# KiCad board nvme Carrier all M2.kicad_pcb (continued)
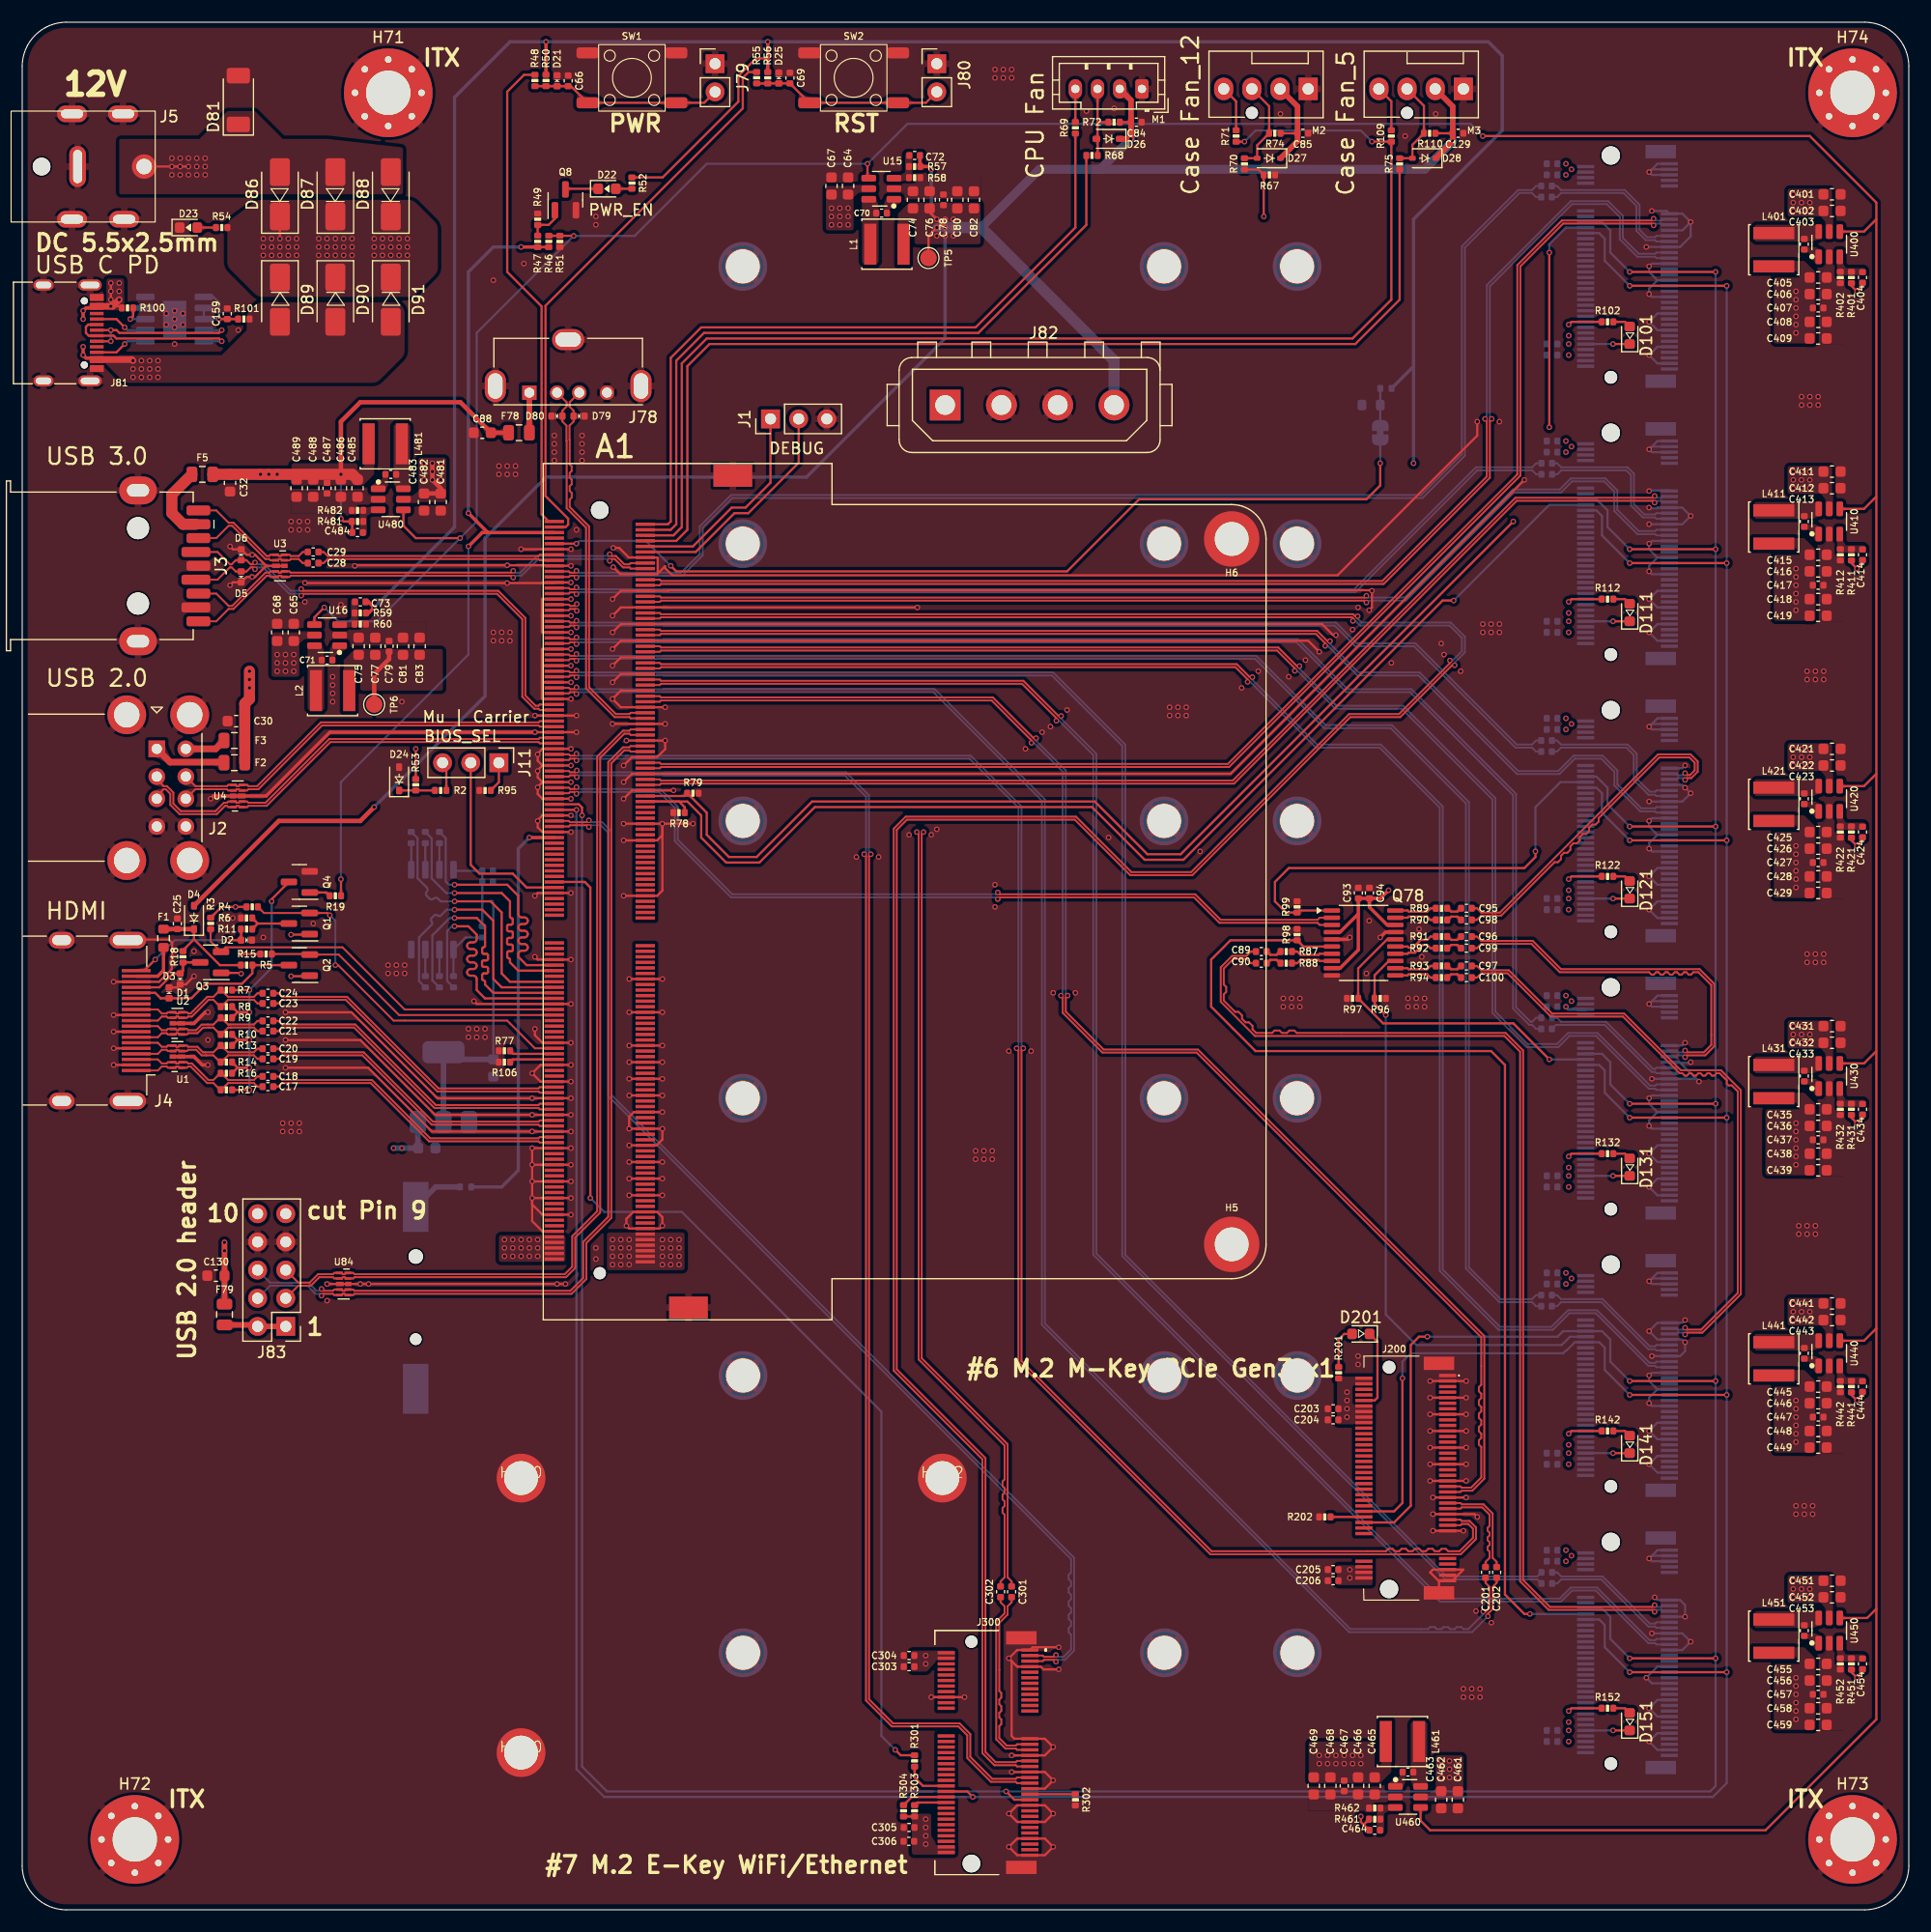
[diagram p0: board, top side]
## Routing (per net, layer and track width the routed paths; a pad name or vN(x,y) marks a point on that pad's centre or on a via; arc(x,y) is an arc through that point) (continued)
/LattePanda Module/HSIO_3_RX-: length 229.4
  Top w0.171: v1(120.04,116.21) 120.04,116.45 119.94,116.54 57.63,116.54 57.51,116.43 A1.36 ; v1(128.79,112.64) 128.79,112.4 124.19,107.81 119.69,107.81 105.44,93.56 100.06,93.56 95.06,98.56 79.69,98.56 78.61,97.48 78.61,48.62 86.61,40.62 86.61,14.12 87.69,13.04 89.62,13.04 89.74,12.93 J300.43
  Bottom w0.171: v1(120.04,116.21) 120.27,116.21 120.69,115.79 128.75,115.79 129.86,114.68 129.86,113.48 129.02,112.64 v1(128.79,112.64)
/LattePanda Module/HSIO_3_TX+: length 123.3
  Top w0.171: A1.31 49.31,117.68 49.43,117.56 49.86,117.56 v1(50.03,117.73) ; v1(81.3,97.18) 81.14,97.01 81.14,49.73 88.89,41.98 88.89,29.98 89.25,29.62 C301.1
  In1.GND w0.171: v1(81.3,97.18) 81.14,97.34 81.14,114.23 77.81,117.56 50.19,117.56 v1(50.03,117.73)
/LattePanda Module/HSIO_3_TX-: length 123.3
  Top w0.171: C302.1 88.25,29.62 88.61,29.98 88.61,35.63 88.43,35.81 88.43,36.23 88.61,36.41 88.61,36.83 88.43,37.01 88.43,37.43 88.61,37.61 88.61,38.03 88.43,38.21 88.43,38.63 88.61,38.81 88.61,41.87 80.86,49.62 80.86,97.01 v1(80.7,97.18) ; v1(50.03,117.12) 49.86,117.29 49.43,117.29 49.31,117.18 A1.33
  In1.GND w0.171: v1(80.7,97.18) 80.86,97.34 80.86,114.12 77.69,117.29 50.19,117.29 v1(50.03,117.12)
/LattePanda Module/HSIO_6_RX+: length 129.3
  Top w0.171: v1(91.46,105.64) 91.23,105.64 87.56,109.31 57.63,109.31 57.51,109.43 A1.64 ; v1(94.3,82.43) 94.14,82.26 94.14,80.98 97.56,77.56 106.06,77.56 131.89,51.73 131.89,38.87 130.81,37.79 129.85,37.79 129.74,37.68 J200.43
  Bottom w0.171: v1(94.3,82.43) 94.14,82.59 94.14,102.73 91.46,105.4 v1(91.46,105.64)
/LattePanda Module/HSIO_6_RX-: length 129.3
  Top w0.171: J200.41 129.74,38.18 129.85,38.06 130.69,38.06 131.61,38.98 131.61,41.73 131.4,41.95 131.4,42.33 131.61,42.55 131.61,42.93 131.4,43.15 131.4,43.53 131.61,43.75 131.61,44.13 131.4,44.35 131.4,44.73 131.61,44.95 131.61,45.33 131.4,45.55 131.4,45.93 131.61,46.15 131.61,46.53 131.4,46.75 131.4,47.13 131.61,47.35 131.61,51.62 105.94,77.29 97.44,77.29 93.86,80.87 93.86,82.26 v1(93.7,82.43) ; A1.66 57.51,108.93 57.63,109.04 87.44,109.04 91.04,105.45 v1(91.04,105.21)
  Bottom w0.171: v1(93.7,82.43) 93.86,82.59 93.86,102.62 91.27,105.21 v1(91.04,105.21)
/LattePanda Module/HSIO_6_TX+: length 151.6
  Top w0.171: v1(131.79,26.89) 132.02,26.89 132.36,27.23 132.36,29.12 132,29.48 C201.1 ; v1(50,110.23) 49.84,110.06 49.43,110.06 49.31,110.18 A1.61
  Bottom w0.171: v1(131.79,26.89) 131.79,26.65 130.44,25.31 130,25.31 129.82,25.49 129.4,25.49 129.22,25.31 128.8,25.31 128.62,25.49 128.2,25.49 128.02,25.31 127.6,25.31 127.42,25.49 127,25.49 126.82,25.31 119.81,25.31 92.25,52.87 92.25,100.12 82.31,110.06 50.16,110.06 v1(50,110.23)
/LattePanda Module/HSIO_6_TX-: length 151.6
  Top w0.171: A1.63 49.31,109.68 49.43,109.79 49.84,109.79 v1(50,109.62) ; C202.1 133,29.48 132.64,29.12 132.64,27.12 132.21,26.7 v1(132.21,26.46)
  Bottom w0.171: v1(50,109.62) 50.16,109.79 82.19,109.79 91.98,100 91.98,52.75 119.69,25.04 130.79,25.04 v1(132.21,26.46)
/LattePanda Module/HSIO_8_RX+: length 101.1
  Top w0.171: A1.40 57.51,115.43 57.63,115.31 116.81,115.31 117.73,114.39 v1(117.96,114.39)
  Bottom w0.171: J120.43 147.41,99.43 147.3,99.31 146.06,99.31 143.89,101.48 143.89,102.73 142.56,104.06 139.94,104.06 138.56,102.68 134.94,102.68 126.06,111.56 120.56,111.56 117.96,114.15 v1(117.96,114.39)
/LattePanda Module/HSIO_8_RX-: length 101.1
  Top w0.171: A1.42 57.51,114.93 57.63,115.04 116.69,115.04 117.54,114.2 v1(117.54,113.96)
  Bottom w0.171: v1(117.54,113.96) 117.77,113.96 120.44,111.29 125.94,111.29 134.83,102.4 138.67,102.4 140.06,103.79 142.44,103.79 143.61,102.62 143.61,101.37 145.94,99.04 147.3,99.04 147.41,98.93 J120.41
/LattePanda Module/HSIO_8_TX+: length 93.9
  Top w0.171: v1(50,116.23) 49.84,116.06 49.43,116.06 49.31,116.18 A1.37
  Bottom w0.171: v1(50,116.23) 50.16,116.06 118.5,116.06 120.36,114.2 125.67,114.2 134.81,105.06 136.19,105.06 136.55,105.43 C125.1
/LattePanda Module/HSIO_8_TX-: length 93.9
  Top w0.171: v1(50,115.62) 49.84,115.79 49.43,115.79 49.31,115.68 A1.39
  Bottom w0.171: C126.1 136.55,104.43 136.19,104.79 134.69,104.79 125.56,113.93 120.25,113.93 118.39,115.79 50.16,115.79 v1(50,115.62)
/LattePanda Module/HSIO_9_RX+: length 121.1
  Top w0.171: A1.46 57.51,113.93 57.63,113.81 113.31,113.81 114.98,112.14 v1(115.21,112.14)
  Bottom w0.171: v1(115.21,112.14) 115.21,111.9 118.56,108.56 124.56,108.56 132.89,100.23 132.89,80.98 135.81,78.06 138.44,78.06 139.44,79.06 142.09,79.06 146.84,74.31 147.3,74.31 147.41,74.43 J130.43
/LattePanda Module/HSIO_9_RX-: length 121.1
  Top w0.171: v1(114.79,111.71) 114.79,111.95 113.19,113.54 57.63,113.54 57.51,113.43 A1.48
  Bottom w0.171: J130.41 147.41,73.93 147.3,74.04 146.72,74.04 141.97,78.79 139.56,78.79 138.56,77.79 135.69,77.79 132.61,80.87 132.61,100.12 124.44,108.29 118.44,108.29 115.02,111.71 v1(114.79,111.71)
/LattePanda Module/HSIO_9_TX+: length 114.9
  Top w0.171: v1(50,114.73) 49.84,114.56 49.43,114.56 49.31,114.68 A1.43
  Bottom w0.171: C135.1 136.55,80.43 136.19,80.06 136.06,80.06 134.75,81.37 134.75,100.62 125.31,110.06 119.56,110.06 115.06,114.56 50.16,114.56 v1(50,114.73)
/LattePanda Module/HSIO_9_TX-: length 114.9
  Top w0.171: v1(50,114.12) 49.84,114.29 49.43,114.29 49.31,114.18 A1.45
  Bottom w0.171: v1(50,114.12) 50.16,114.29 114.94,114.29 119.44,109.79 125.19,109.79 134.48,100.5 134.48,81.25 135.94,79.79 136.19,79.79 136.55,79.43 C136.1
/LattePanda Module/HSIO_10_RX+: length 144.4
  Top w0.171: v1(110.96,111.14) 110.73,111.14 109.56,112.31 57.63,112.31 57.51,112.43 A1.52
  Bottom w0.171: v1(110.96,111.14) 110.96,110.9 116.81,105.06 122.56,105.06 128.14,99.48 128.14,57.73 133.31,52.56 137.94,52.56 139.44,54.06 142.06,54.06 146.81,49.31 147.3,49.31 147.41,49.43 J140.43
/LattePanda Module/HSIO_10_RX-: length 144.4
  Top w0.171: A1.54 57.51,111.93 57.63,112.04 109.44,112.04 110.54,110.95 v1(110.54,110.71)
  Bottom w0.171: J140.41 147.41,48.93 147.3,49.04 146.69,49.04 141.94,53.79 139.56,53.79 138.06,52.29 133.19,52.29 127.86,57.62 127.86,99.37 122.44,104.79 116.69,104.79 110.77,110.71 v1(110.54,110.71)
/LattePanda Module/HSIO_10_TX+: length 137.9
  Top w0.171: v1(50,113.23) 49.84,113.06 49.43,113.06 49.31,113.18 A1.49
  Bottom w0.171: C145.1 136.55,55.43 136.19,55.06 133.36,55.06 130.5,57.93 130.5,99.87 123.56,106.81 117.56,106.81 111.31,113.06 91.27,113.06 50.16,113.06 v1(50,113.23)
/LattePanda Module/HSIO_10_TX-: length 137.9
  Top w0.171: A1.51 49.31,112.68 49.43,112.79 49.84,112.79 v1(50,112.62)
  Bottom w0.171: v1(50,112.62) 50.16,112.79 111.19,112.79 117.44,106.54 123.44,106.54 130.23,99.75 130.23,57.81 133.25,54.79 136.19,54.79 136.55,54.43 C146.1
/LattePanda Module/HSIO_11_RX+: length 155.7
  Top w0.171: v1(93.71,107.64) 93.48,107.64 90.31,110.81 57.63,110.81 57.51,110.93 A1.58
  Bottom w0.171: J150.43 147.41,24.43 147.3,24.31 146.81,24.31 142.06,29.06 139.69,29.06 138.69,28.06 128,28.06 96.89,59.17 96.89,104.23 93.71,107.4 v1(93.71,107.64)
/LattePanda Module/HSIO_11_RX-: length 155.7
  Top w0.171: v1(93.29,107.21) 93.29,107.45 90.19,110.54 57.63,110.54 57.51,110.43 A1.60
  Bottom w0.171: J150.41 147.41,23.93 147.3,24.04 146.69,24.04 141.94,28.79 139.81,28.79 138.81,27.79 127.89,27.79 96.61,59.06 96.61,104.12 93.52,107.21 v1(93.29,107.21)
/LattePanda Module/HSIO_11_TX+: length 150.1
  Top w0.171: v1(50,111.73) 49.84,111.56 49.43,111.56 49.31,111.68 A1.55
  Bottom w0.171: C155.1 136.68,30.06 128.5,30.06 99.5,59.06 99.5,105.06 93,111.56 50.16,111.56 v1(50,111.73)
/LattePanda Module/HSIO_11_TX-: length 150.1
  Top w0.171: A1.57 49.31,111.18 49.43,111.29 49.84,111.29 v1(50,111.12)
  Bottom w0.171: C156.1 136.68,29.79 128.39,29.79 99.23,58.95 99.23,104.95 92.89,111.29 50.16,111.29 v1(50,111.12)
/LattePanda Module/REFCLK0+: length 146.9
  Top w0.171: v1(50,104.23) 49.84,104.06 49.43,104.06 49.31,104.18 A1.85 ; v1(90.3,77.68) 90.14,77.51 90.14,49.48 107.29,32.33 123.01,32.33 123.23,32.55 123.61,32.55 123.83,32.33 124.21,32.33 124.43,32.55 124.81,32.55 125.03,32.33 125.41,32.33 125.63,32.55 126.01,32.55 126.23,32.33 126.61,32.33 126.83,32.55 127.21,32.55 127.43,32.33 127.81,32.33 128.03,32.55 128.41,32.55 128.63,32.33 129.66,32.33 130.86,33.54 130.86,34.37 130.44,34.79 129.85,34.79 129.74,34.68 J200.55
  Bottom w0.171: v1(90.3,77.68) 90.14,77.84 90.14,99.48 85.56,104.06 50.16,104.06 v1(50,104.23)
/LattePanda Module/REFCLK0-: length 146.9
  Top w0.171: J200.53 129.74,35.18 129.85,35.06 130.56,35.06 131.14,34.48 131.14,33.43 129.77,32.06 107.17,32.06 89.86,49.37 89.86,77.51 v1(89.7,77.68) ; A1.87 49.31,103.68 49.43,103.79 49.84,103.79 v1(50,103.62)
  Bottom w0.171: v1(89.7,77.68) 89.86,77.84 89.86,99.37 85.44,103.79 50.16,103.79 v1(50,103.62)
/LattePanda Module/REFCLK1+: length 129.8
  Top w0.171: J300.47 89.74,11.93 89.62,11.81 87.5,11.81 85.52,13.79 85.52,15.85 84.56,16.81 78.56,16.81 76.39,18.98 76.39,95.01 v1(76.55,95.18) ; v1(50.03,102.73) 49.86,102.56 49.43,102.56 49.31,102.68 A1.91
  Bottom w0.171: v1(50.03,102.73) 50.19,102.56 74.31,102.56 76.39,100.48 76.39,95.34 v1(76.55,95.18)
/LattePanda Module/REFCLK1-: length 129.8
  Top w0.171: J300.49 89.74,11.43 89.62,11.54 87.39,11.54 85.25,13.68 85.25,15.73 84.44,16.54 78.44,16.54 76.11,18.87 76.11,95.01 v1(75.95,95.18) ; A1.93 49.31,102.18 49.43,102.29 49.86,102.29 v1(50.03,102.12)
  Bottom w0.171: v1(50.03,102.12) 50.19,102.29 74.19,102.29 76.11,100.37 76.11,95.34 v1(75.95,95.18)
/LattePanda Module/REFCLK2+: length 77.2
  Top w0.171: v1(88,91.73) 88.16,91.56 105.81,91.56 108.11,89.26 116.84,89.26 117.03,89.45 Q78.2 ; v1(50,101.23) 49.84,101.06 49.43,101.06 49.31,101.18 A1.97
  Bottom w0.171: v1(88,91.73) 87.84,91.56 64.06,91.56 59.14,96.48 59.14,99.48 57.56,101.06 50.16,101.06 v1(50,101.23)
/LattePanda Module/REFCLK2-: length 77.2
  Top w0.171: v1(88,91.12) 88.16,91.29 105.69,91.29 107.99,88.99 116.84,88.99 117.03,88.8 Q78.3 ; A1.99 49.31,100.68 49.43,100.79 49.84,100.79 v1(50,100.62)
  Bottom w0.171: v1(50,100.62) 50.16,100.79 57.44,100.79 58.86,99.37 58.86,96.37 63.94,91.29 87.84,91.29 v1(88,91.12)
/LattePanda Module/REFCLK3+: length 124
  Top w0.171: v1(147.16,152.48) 146.99,152.31 138.89,152.31 134.86,148.29 134.86,129.42 108.75,103.31 57.63,103.31 57.51,103.43 A1.88
  Bottom w0.171: J100.55 147.95,152.43 147.84,152.31 147.32,152.31 v1(147.16,152.48)
/LattePanda Module/REFCLK3-: length 124
  Top w0.171: v1(147.16,151.87) 146.99,152.04 139,152.04 135.14,148.18 135.14,129.31 108.86,103.04 57.63,103.04 57.51,102.93 A1.90
  Bottom w0.171: v1(147.16,151.87) 147.32,152.04 147.84,152.04 147.95,151.93 J100.53
/LattePanda Module/REFCLK4+: length 103.2
  Top w0.171: v1(147.25,127.48) 147.09,127.31 134.69,127.31 109.19,101.81 57.63,101.81 57.51,101.93 A1.94
  Bottom w0.171: J110.55 147.95,127.43 147.84,127.31 147.41,127.31 v1(147.25,127.48)
/LattePanda Module/REFCLK4-: length 103.2
  Top w0.171: A1.96 57.51,101.43 57.63,101.54 109.31,101.54 134.81,127.04 147.09,127.04 v1(147.25,126.87)
  Bottom w0.171: v1(147.25,126.87) 147.41,127.04 147.84,127.04 147.95,126.93 J110.53
/LattePanda Module/SUSCLK: length 98.7
  Top w0.2: R301.2 79.24,13.94 v1(78.75,14.43) ; A1.131 50.75,92.68 51.25,92.18 v1(51.25,64.18)
  Bottom w0.2: v1(51.25,64.18) 52.5,62.93 59.5,62.93 77.5,44.93 77.5,15.68 v1(78.75,14.43)
/LattePanda Module/USB_2_P4+: length 34.5
  Top w0.171: J78.3 49.39,135.93 49.39,135.57 49.37,135.56 49.37,135.53 49.75,135.16 D79.2 49.75,134.2 49.37,133.82 49.37,132.54 49.39,132.53 49.39,130.33 49.57,130.15 49.57,129.73 49.39,129.55 49.39,129.13 49.57,128.95 49.57,128.53 49.39,128.35 49.39,127.93 49.57,127.75 49.57,127.33 49.39,127.15 49.39,126.48 51.14,124.73 51.14,110.23 53.56,107.81 54.77,107.81 54.89,107.93 A1.70
/LattePanda Module/USB_2_P4-: length 34.5
  Top w0.171: A1.72 54.89,107.43 54.77,107.54 53.44,107.54 50.86,110.12 50.86,124.62 49.11,126.37 49.11,132.43 49.1,132.44 49.1,133.82 48.72,134.2 D80.2 48.72,135.16 49.1,135.53 49.1,135.66 49.11,135.68 49.11,135.93 J78.2
/LattePanda Module/USB_2_P5+: length 101.3
  Top w0.171: A1.111 49.31,97.68 49.43,97.79 50.96,97.79 v1(51.12,97.62) ; v1(93.25,22.98) 93.09,22.81 92.18,22.81 92.06,22.93 J300.3
  Bottom w0.171: v1(93.25,22.98) 93.41,22.81 93.94,22.81 94.61,23.48 94.61,24.8 94.4,25.01 94.4,25.4 94.61,25.61 94.61,26 94.4,26.21 94.4,26.6 94.61,26.81 94.61,27.2 94.4,27.41 94.4,27.8 94.61,28.01 94.61,28.4 94.4,28.61 94.4,29 94.61,29.21 94.61,29.6 94.4,29.81 94.4,30.2 94.61,30.41 94.61,31.62 52.86,73.37 52.86,97.12 52.19,97.79 51.29,97.79 v1(51.12,97.62)
/LattePanda Module/USB_2_P5-: length 101.3
  Top w0.171: v1(93.25,22.37) 93.09,22.54 92.18,22.54 92.06,22.43 J300.5 ; A1.109 49.31,98.18 49.43,98.06 50.96,98.06 v1(51.12,98.23)
  Bottom w0.171: v1(51.12,98.23) 51.29,98.06 52.31,98.06 53.14,97.23 53.14,73.48 94.89,31.73 94.89,23.37 94.06,22.54 93.41,22.54 v1(93.25,22.37)
/LattePanda Module/~{PWR_SW}: length 43.9
  Top w0.2: R48.2 45.27,165.45 43.75,163.93 43.75,147.68 46.85,144.57 46.85,125.82 47.5,125.18 A1.1
/LattePanda Module/~{RST_SW}: length 51.3
  Top w0.2: A1.3 49.02,124.68 49.25,124.9 49.25,125.43 47.2,127.47 47.2,144.63 65,162.43 65,165.18 65.52,165.7 R55.2
/M.2 E&M-Key/PCIE30_TX0_N: length 9.4
  Top w0.171: J200.47 129.74,36.68 129.85,36.56 131.81,36.56 132.64,35.73 132.64,31.74 133,31.37 C202.2
/M.2 E&M-Key/PCIE30_TX0_P: length 9.4
  Top w0.171: C201.2 132,31.37 132.36,31.74 132.36,32.29 132.18,32.47 132.18,32.72 132.36,32.9 132.36,33.15 132.18,33.33 132.18,33.58 132.36,33.76 132.36,34.01 132.18,34.19 132.18,34.44 132.36,34.62 132.36,35.62 131.69,36.29 129.85,36.29 129.74,36.18 J200.49
/M.2 E&M-Key/PCIE30_TX1_N: length 16.7
  Top w0.171: J300.37 89.74,14.43 89.62,14.54 88.69,14.54 87.86,15.37 87.86,25.98 88.61,26.73 88.61,27.37 88.25,27.73 C302.2
/M.2 E&M-Key/PCIE30_TX1_P: length 16.7
  Top w0.171: J300.35 89.74,14.93 89.62,14.81 88.81,14.81 88.14,15.48 88.14,16.56 88.32,16.74 88.32,17.16 88.14,17.34 88.14,17.76 88.32,17.94 88.32,18.36 88.14,18.54 88.14,18.96 88.32,19.14 88.32,19.56 88.14,19.74 88.14,25.87 88.89,26.62 88.89,27.37 89.25,27.73 C301.2
/M.2 E&M-Key/~{CLKREQE}: length 4.1
  Top w0.2: J300.53 94.99,10.43 R302.1
/M.2 E&M-Key/~{CLKREQM}: length 3
  Top w0.2: J200.52 R202.1
/M.2 M Key/CLKREQM2: length 41.8
  Top w0.2: v1(136.5,95.43) 136.5,94.93 135.5,93.93 114.25,93.93 113,92.68 113,90.93 114.01,89.92 R99.1 115.19,90.1 Q78.1
  Bottom w0.2: v1(136.5,95.43) 136.5,99.43 138.75,101.68 J120.52
/M.2 M Key/CLKREQM3: length 29.9
  Top w0.2: Q78.16 123.13,87.5 120.51,84.89 R97.1 122.76,79.93 134.5,79.93 v1(137.75,76.68)
  Bottom w0.2: J130.52 v1(137.75,76.68)
/M.2 M Key/CLKREQM4: length 52.9
  Top w0.2: v1(123,80.68) 121.99,81.69 R96.1 121.99,84.26 123.28,85.55 Q78.13
  Bottom w0.2: v1(123,80.68) 123,53.68 125.75,50.93 138.88,50.93 139.62,51.68 J140.52
/M.2 M Key/CLKREQM5: length 100.5
  Top w0.2: Q78.6 115.56,86.85 R98.1 108.99,87.42 107.25,85.68 107.25,81.43 111.25,77.43 132.5,77.43 133.75,76.18 133.75,28.43 135.5,26.68 v1(136,26.68)
  Bottom w0.2: v1(136,26.68) J150.52
/M.2 M Key/CON_PCIE_TX_0+: length 13.9
  Bottom w0.171: J100.49 147.41,150.93 147.3,150.81 146.56,150.81 145.89,151.48 145.89,153.73 144.56,155.06 138.81,155.06 138.45,155.43 C105.2
/M.2 M Key/CON_PCIE_TX_0-: length 13.9
  Bottom w0.171: J100.47 147.41,150.43 147.3,150.54 146.44,150.54 145.61,151.37 145.61,153.62 144.44,154.79 138.81,154.79 138.45,154.43 C106.2
/M.2 M Key/CON_PCIE_TX_1+: length 14.1
  Bottom w0.171: J110.49 147.41,125.93 147.3,125.81 146.31,125.81 145.39,126.73 145.39,129.48 144.81,130.06 138.83,130.06 138.47,130.43 C115.2
/M.2 M Key/CON_PCIE_TX_1-: length 14.1
  Bottom w0.171: J110.47 147.41,125.43 147.3,125.54 146.19,125.54 145.11,126.62 145.11,129.37 144.69,129.79 138.83,129.79 138.47,129.43 C116.2
/M.2 M Key/CON_PCIE_TX_2+: length 13.9
  Bottom w0.171: C125.2 138.45,105.43 138.81,105.06 144.81,105.06 145.64,104.23 145.64,101.98 146.81,100.81 147.3,100.81 147.41,100.93 J120.49
/M.2 M Key/CON_PCIE_TX_2-: length 13.9
  Bottom w0.171: C126.2 138.45,104.43 138.81,104.79 144.69,104.79 145.36,104.12 145.36,101.87 146.69,100.54 147.3,100.54 147.41,100.43 J120.47
/M.2 M Key/CON_PCIE_TX_3+: length 12.6
  Bottom w0.171: J130.49 147.41,75.93 147.3,75.81 147.11,75.81 142.86,80.06 138.81,80.06 138.45,80.43 C135.2
/M.2 M Key/CON_PCIE_TX_3-: length 12.6
  Bottom w0.171: J130.47 147.41,75.43 147.3,75.54 147,75.54 142.75,79.79 138.34,79.79 C136.2
/M.2 M Key/CON_PCIE_TX_4+: length 12.6
  Bottom w0.171: J140.49 147.41,50.93 147.3,50.81 146.81,50.81 142.56,55.06 138.81,55.06 138.45,55.43 C145.2
/M.2 M Key/CON_PCIE_TX_4-: length 12.6
  Bottom w0.171: C146.2 138.45,54.43 138.81,54.79 142.44,54.79 146.69,50.54 147.3,50.54 147.41,50.43 J140.47
/M.2 M Key/CON_PCIE_TX_5+: length 12.5
  Bottom w0.171: J150.49 147.41,25.93 147.3,25.81 146.81,25.81 142.56,30.06 138.83,30.06 138.47,30.43 C155.2
/M.2 M Key/CON_PCIE_TX_5-: length 12.5
  Bottom w0.171: J150.47 147.41,25.43 147.3,25.54 146.69,25.54 142.44,29.79 138.83,29.79 138.47,29.43 C156.2
/M.2 M Key/REFCLKM2+: length 30.6
  Top w0.171: v1(150,102.48) 150.16,102.31 150.44,102.31 150.86,102.73 150.86,103.43 150.39,103.9 147.67,103.9 142.47,98.7 142.2,98.43 142.2,98.12 141.93,97.85 141.62,97.85 141.35,97.58 141.35,97.27 141.08,97 140.77,97 140.5,96.73 140.5,96.42 140.23,96.15 139.92,96.15 139.65,95.88 139.65,95.58 139.38,95.31 139.07,95.31 138.8,95.03 138.8,94.73 138.53,94.46 138.22,94.46 133.41,89.64 131.61,89.64 131.22,89.25 C98.2
  Bottom w0.171: v1(150,102.48) 149.84,102.31 149.31,102.31 149.2,102.43 J120.55
/M.2 M Key/REFCLKM2-: length 30.6
  Top w0.171: v1(150,101.87) 150.16,102.04 150.56,102.04 151.14,102.62 151.14,103.54 150.5,104.18 147.56,104.18 133.29,89.91 131.61,89.91 131.22,90.3 C95.2
  Bottom w0.171: J120.53 149.2,101.93 149.31,102.04 149.84,102.04 v1(150,101.87)
/M.2 M Key/REFCLKM3+: length 33.9
  Top w0.171: v1(150,77.48) 150.16,77.31 151.69,77.31 152.36,77.98 152.36,83.37 151.19,84.54 150.75,84.54 150.53,84.32 150.33,84.32 150.11,84.54 149.91,84.54 149.69,84.32 149.49,84.32 149.27,84.54 149.07,84.54 148.85,84.32 148.65,84.32 148.43,84.54 148.23,84.54 148.01,84.32 147.81,84.32 147.59,84.54 147.39,84.54 147.17,84.32 146.97,84.32 146.75,84.54 138.69,84.54 136.14,87.09 131.61,87.09 131.22,86.7 C99.2
  Bottom w0.171: v1(150,77.48) 149.84,77.31 149.31,77.31 149.2,77.43 J130.55
/M.2 M Key/REFCLKM3-: length 33.9
  Top w0.171: C96.2 131.22,87.75 131.61,87.36 136.26,87.36 138.81,84.81 151.31,84.81 152.64,83.48 152.64,77.87 151.81,77.04 150.16,77.04 v1(150,76.87)
  Bottom w0.171: J130.53 149.2,76.93 149.31,77.04 149.84,77.04 v1(150,76.87)
/M.2 M Key/REFCLKM4+: length 55.4
  Top w0.171: v1(150,52.48) 150.16,52.31 151.44,52.31 154.75,55.62 154.75,73.79 154.21,74.33 153.9,74.33 153.77,74.47 153.77,74.77 153.12,75.43 152.84,75.43 152.62,75.21 152.43,75.21 152.21,75.43 152.02,75.43 151.8,75.21 151.61,75.21 151.39,75.43 151.2,75.43 150.98,75.21 150.79,75.21 150.57,75.43 150.38,75.43 150.16,75.21 149.97,75.21 149.75,75.43 149.5,75.43 144.39,80.54 137.89,80.54 133.99,84.44 131.61,84.44 131.22,84.05 C100.2
  Bottom w0.171: J140.55 149.2,52.43 149.31,52.31 149.84,52.31 v1(150,52.48)
/M.2 M Key/REFCLKM4-: length 55.4
  Top w0.171: C97.2 131.22,85.1 131.61,84.71 134.1,84.71 138,80.81 144.5,80.81 149.61,75.7 153.23,75.7 155.02,73.9 155.02,55.5 151.56,52.04 150.16,52.04 v1(150,51.87)
  Bottom w0.171: J140.53 149.2,51.93 149.31,52.04 149.84,52.04 v1(150,51.87)
/M.2 M Key/REFCLKM5+: length 98.2
  Top w0.171: C90.1 110.83,85.35 110.44,85.74 109.26,85.74 108.39,84.87 108.39,83.43 108.6,83.21 108.6,82.76 108.39,82.54 108.39,81.98 109.4,80.96 109.71,80.96 110.03,80.64 110.03,80.34 110.35,80.02 110.66,80.02 110.98,79.7 110.98,79.39 111.31,79.06 112.75,79.06 112.96,79.28 113.42,79.28 113.63,79.06 114.09,79.06 114.3,79.28 114.76,79.28 114.97,79.06 133.81,79.06 135.39,77.48 135.39,29.73 137.81,27.31 147.09,27.31 v1(147.25,27.48)
  Bottom w0.171: J150.55 147.95,27.43 147.84,27.31 147.41,27.31 v1(147.25,27.48)
/M.2 M Key/REFCLKM5-: length 98.2
  Top w0.171: v1(147.25,26.87) 147.09,27.04 137.69,27.04 135.11,29.62 135.11,77.37 133.69,78.79 111.19,78.79 108.11,81.87 108.11,84.98 109.14,86.01 110.44,86.01 110.83,86.4 C89.1
  Bottom w0.171: v1(147.25,26.87) 147.41,27.04 147.84,27.04 147.95,26.93 J150.53
/PCIe CLK Buffer/DIF0+: length 3.8
  Top w0.2: R90.2 127.03,89.25 126.73,89.55 125.07,89.55 124.97,89.45 Q78.19
/PCIe CLK Buffer/DIF0-: length 3.8
  Top w0.2: Q78.20 124.97,90.1 125.07,90 126.73,90 127.03,90.3 R89.1
/PCIe CLK Buffer/DIF1+: length 4.1
  Top w0.2: R92.2 127.03,86.7 126.73,87 126.33,87 125.63,86.3 125.07,86.3 124.97,86.2 Q78.14
/PCIe CLK Buffer/DIF1-: length 4.1
  Top w0.2: R91.1 127.03,87.75 126.73,87.45 126.15,87.45 125.45,86.75 125.07,86.75 124.97,86.85 Q78.15
/PCIe CLK Buffer/DIF2+: length 3.8
  Top w0.2: Q78.11 124.97,84.25 125.07,84.35 126.73,84.35 127.03,84.05 R94.2
/PCIe CLK Buffer/DIF2-: length 3.8
  Top w0.2: Q78.12 124.97,84.9 125.07,84.8 126.73,84.8 127.03,85.1 R93.1
/PCIe CLK Buffer/DIF3+: length 3.8
  Top w0.2: R88.1 115.01,85.35 115.31,85.65 116.93,85.65 117.03,85.55 Q78.8
/PCIe CLK Buffer/DIF3-: length 3.8
  Top w0.2: Q78.7 117.03,86.2 116.93,86.1 115.31,86.1 115.01,86.4 R87.2
/PCIe CLK Buffer/RDIF0+: length 1.5
  Top w0.2: R90.1 128.58,89.25 128.88,89.55 129.46,89.55 129.76,89.25 C98.1
/PCIe CLK Buffer/RDIF0-: length 1.5
  Top w0.2: C95.1 129.76,90.3 129.46,90 128.88,90 128.58,90.3 R89.2
/PCIe CLK Buffer/RDIF1+: length 1.5
  Top w0.2: C99.1 129.76,86.7 129.46,87 128.88,87 128.58,86.7 R92.1
/PCIe CLK Buffer/RDIF1-: length 1.5
  Top w0.2: R91.2 128.58,87.75 128.88,87.45 129.46,87.45 129.76,87.75 C96.1
/PCIe CLK Buffer/RDIF2+: length 1.5
  Top w0.2: R94.1 128.58,84.05 128.88,84.35 129.46,84.35 129.76,84.05 C100.1
/PCIe CLK Buffer/RDIF2-: length 1.5
  Top w0.2: R93.2 128.58,85.1 128.88,84.8 129.46,84.8 129.76,85.1 C97.1
/PCIe CLK Buffer/RDIF3+: length 1.5
  Top w0.2: C90.2 112.28,85.35 112.58,85.65 113.16,85.65 113.46,85.35 R88.2
/PCIe CLK Buffer/RDIF3-: length 1.5
  Top w0.2: R87.1 113.46,86.4 113.16,86.1 112.58,86.1 112.28,86.4 C89.2
/PSU/PWR_EN: length 390.5
  Top w0.2: U480.4 34.39,124.79 35.5,123.68 v1(39.5,123.68) ; 167.25,77.43 166.14,76.31 U430.4 ; v1(49.75,150.93) 49.74,150.94 R46.2 ; v1(76.25,157.43) 76.25,156.24 U15.4 ; 167.25,152.43 166.14,151.31 U400.4 ; 167.25,102.43 166.14,101.31 U420.4 ; U450.4 166.42,26.31 167.25,27.14 ; 167.25,52.43 167.25,153.93 161.25,159.93 v1(131.75,159.93) ; 167.25,52.43 166.14,51.31 U440.4 ; 167.25,52.43 167.25,27.14 ; 167.25,27.14 167.25,17.18 157.25,7.18 127,7.18 126.14,8.04 U460.4 ; U16.4 26.36,116.54 v1(27.25,117.43) ; 167.25,127.43 166.14,126.31 U410.4
  Bottom w0.2: v1(27.25,117.43) 28.5,116.18 32,116.18 v1(39.5,123.68) 41,125.18 41,142.18 v1(49.75,150.93) 55.25,150.93 61.75,157.43 v1(76.25,157.43) 79.85,161.03 130.65,161.03 v1(131.75,159.93)
/USB/CON_USB1_D_N: length 40.8
  Top w0.171: J2.2 12.14,101.92 12.75,101.31 13.06,101.31 13.64,100.73 13.64,99.73 14.31,99.06 17.44,99.06 18.19,99.81 18.47,99.81 18.59,99.93 U4.9 19.24,99.93 19.36,99.81 19.53,99.81 19.64,99.93 U4.2 20.3,99.93 20.41,99.81 21.94,99.81 27.69,105.56 46.57,105.56 46.69,105.68 A1.79
/USB/CON_USB1_D_P: length 40.8
  Top w0.171: A1.81 46.69,105.18 46.57,105.29 27.81,105.29 22.06,99.54 20.41,99.54 20.3,99.43 U4.1 19.64,99.43 19.53,99.54 19.36,99.54 19.24,99.43 U4.10 18.59,99.43 18.47,99.54 18.31,99.54 17.56,98.79 14.19,98.79 13.36,99.62 13.36,100.62 12.94,101.04 12.75,101.04 12.14,100.43 J2.3
/USB/CON_USB2_D_N: length 36.2
  Top w0.171: A1.73 46.69,107.18 46.57,107.06 26.94,107.06 21.19,101.31 20.41,101.31 20.3,101.43 U4.5 19.64,101.43 19.53,101.31 19.36,101.31 19.24,101.43 U4.6 18.59,101.43 18.47,101.31 15.63,101.31 J2.6
/USB/CON_USB2_D_P: length 36.2
  Top w0.171: A1.75 46.69,106.68 46.57,106.79 27.06,106.79 21.31,101.04 20.41,101.04 20.3,100.93 U4.4 19.64,100.93 19.53,101.04 19.36,101.04 19.24,100.93 U4.7 18.59,100.93 18.47,101.04 15.63,101.04 J2.7
/USB/CON_USB3_D_N: length 42.8
  Top w0.171: v1(21,121.48) 20.84,121.31 20.61,121.31 20.23,121.69 D6.2 19.27,121.69 18.89,121.31 18.73,121.31 17.62,122.43 J3.2 ; A1.67 46.69,108.68 46.57,108.56 46.31,108.56 45.39,109.48 45.39,116.48 42.94,118.93 25.33,118.93 v1(25.16,119.09)
  Bottom w0.171: v1(21,121.48) 21.16,121.31 21.84,121.31 24.22,118.93 25,118.93 v1(25.16,119.09)
/USB/CON_USB3_D_P: length 42.8
  Top w0.171: v1(21,120.87) 20.84,121.04 20.61,121.04 20.23,120.66 D5.2 19.27,120.66 18.89,121.04 18.73,121.04 17.62,119.93 J3.3 ; v1(25.16,118.49) 25.33,118.65 42.83,118.65 45.11,116.37 45.11,109.37 46.19,108.29 46.57,108.29 46.69,108.18 A1.69
  Bottom w0.171: v1(21,120.87) 21.16,121.04 21.72,121.04 24.11,118.65 25,118.65 v1(25.16,118.49)